# Altium PCB HYDRA_V4_POWER.PcbDoc (part 1 of 2) (continued)
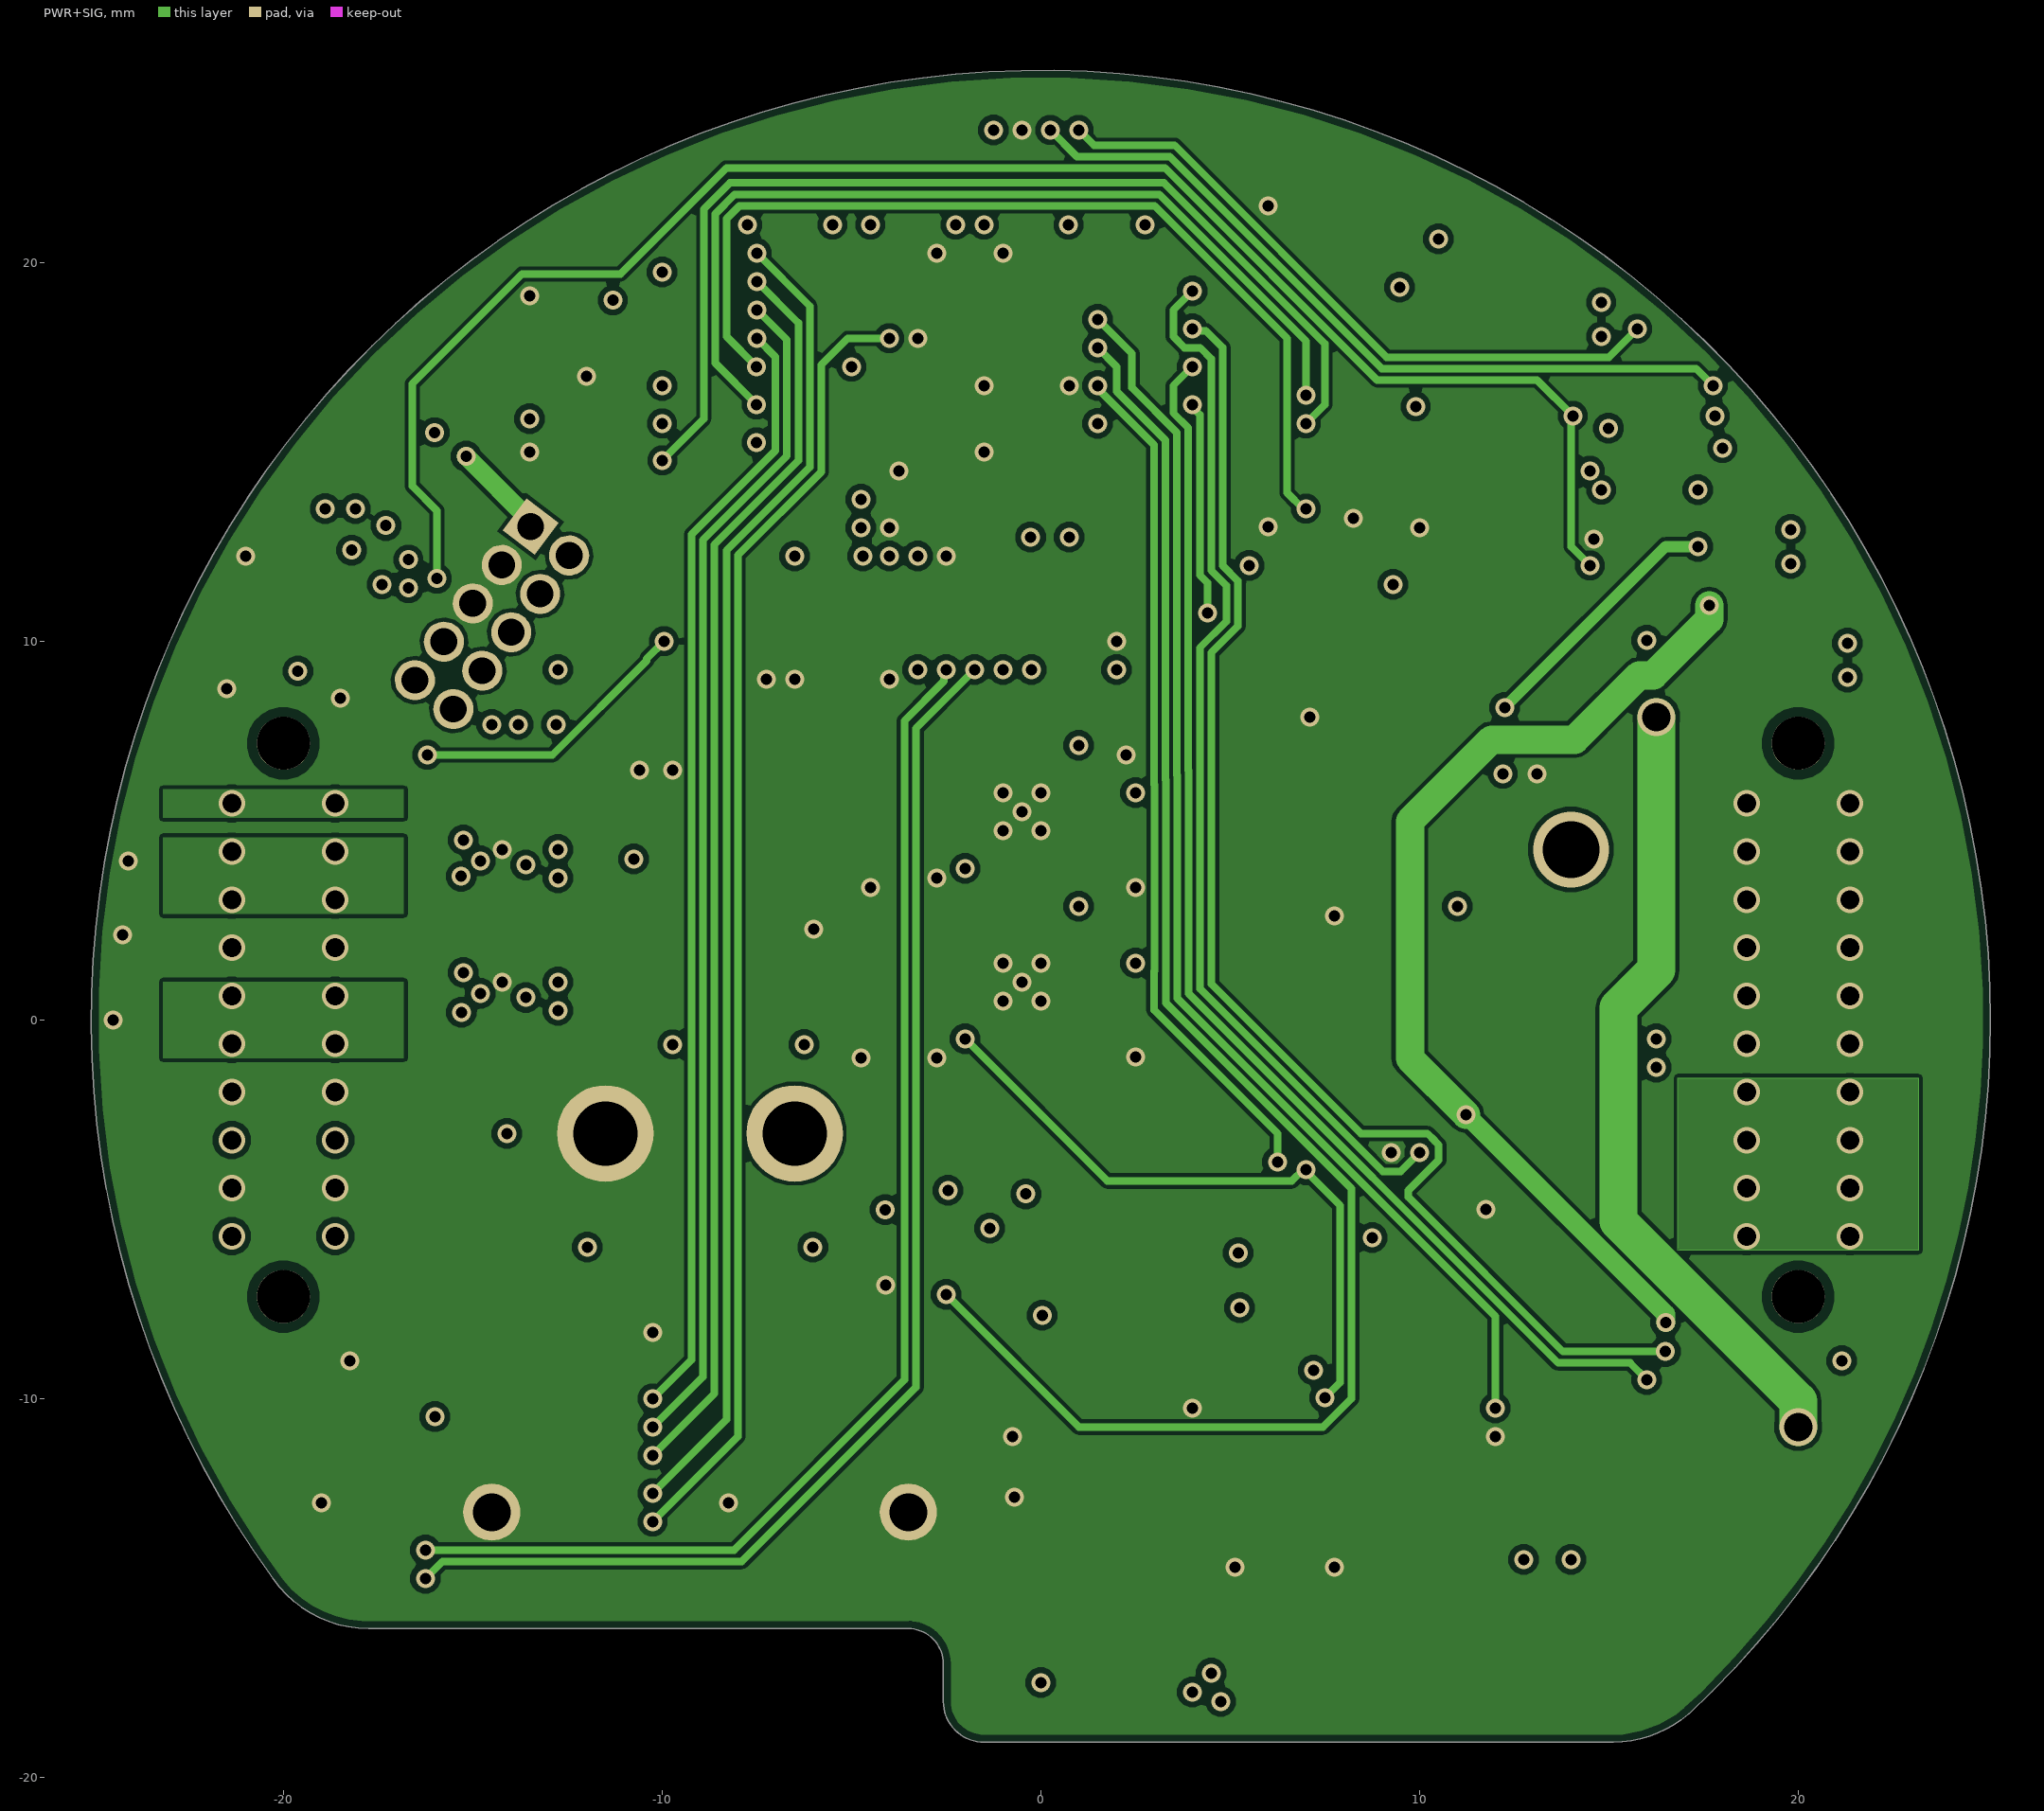
[diagram p3: PWR+SIG]
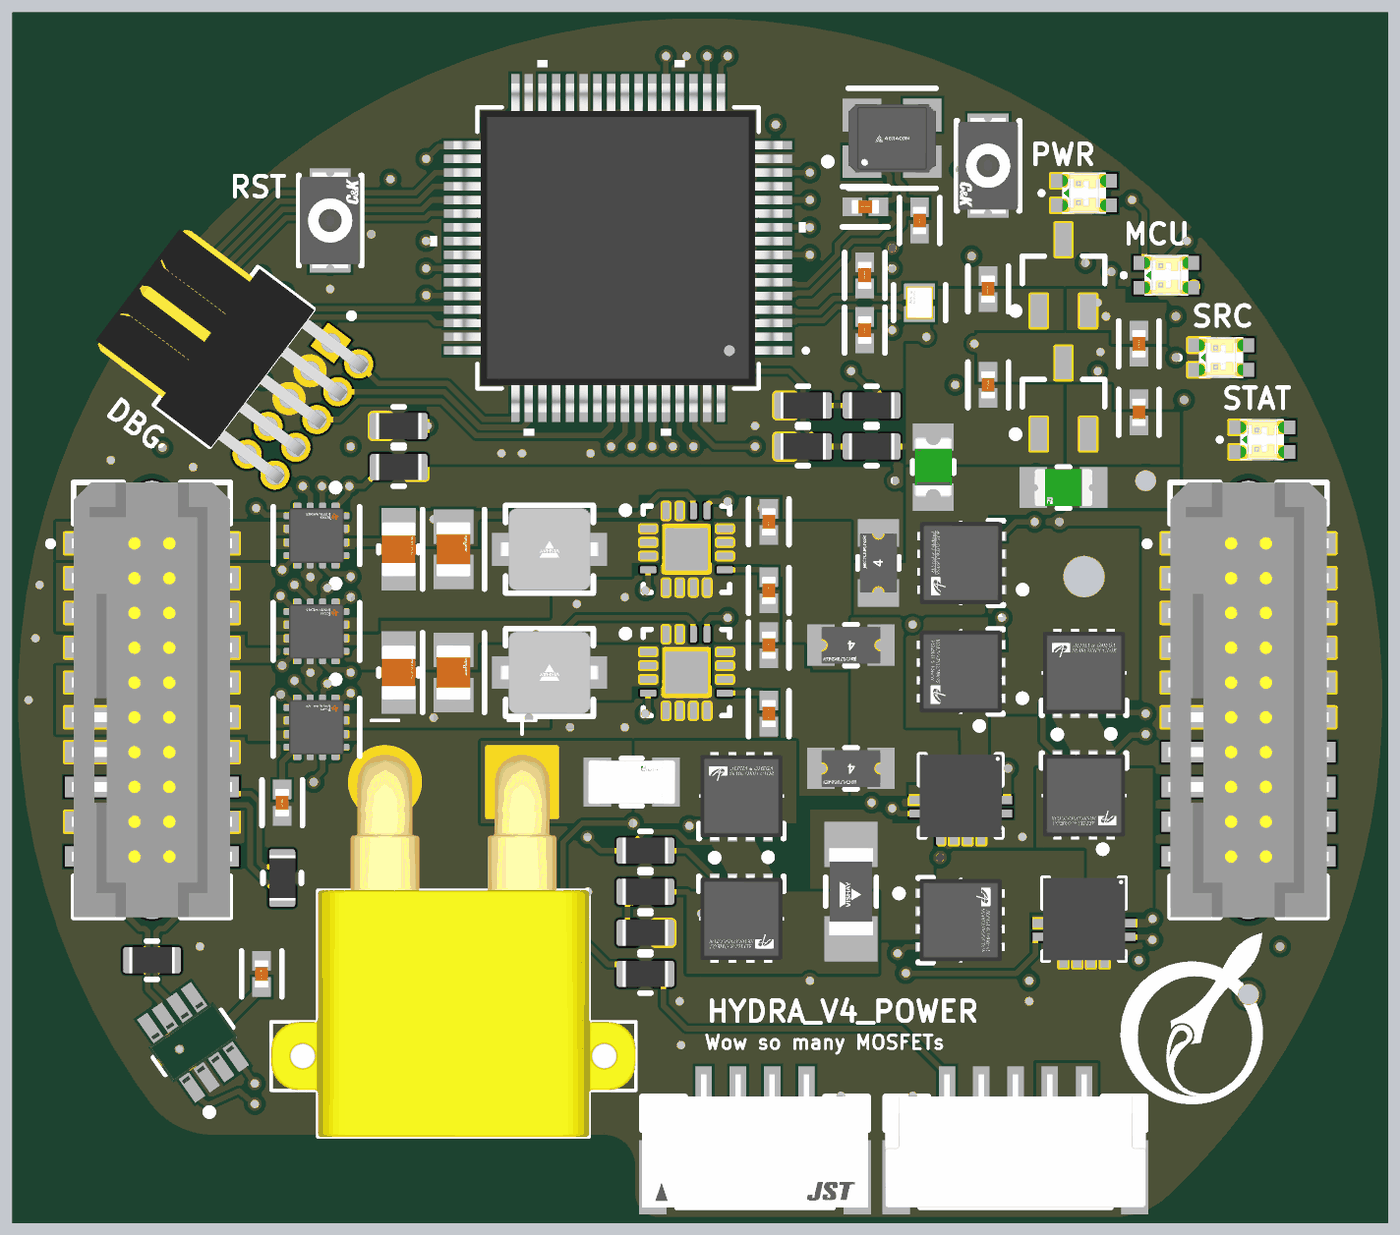
[diagram p5: 3D render of the assembled board from above, using the file's embedded part models]
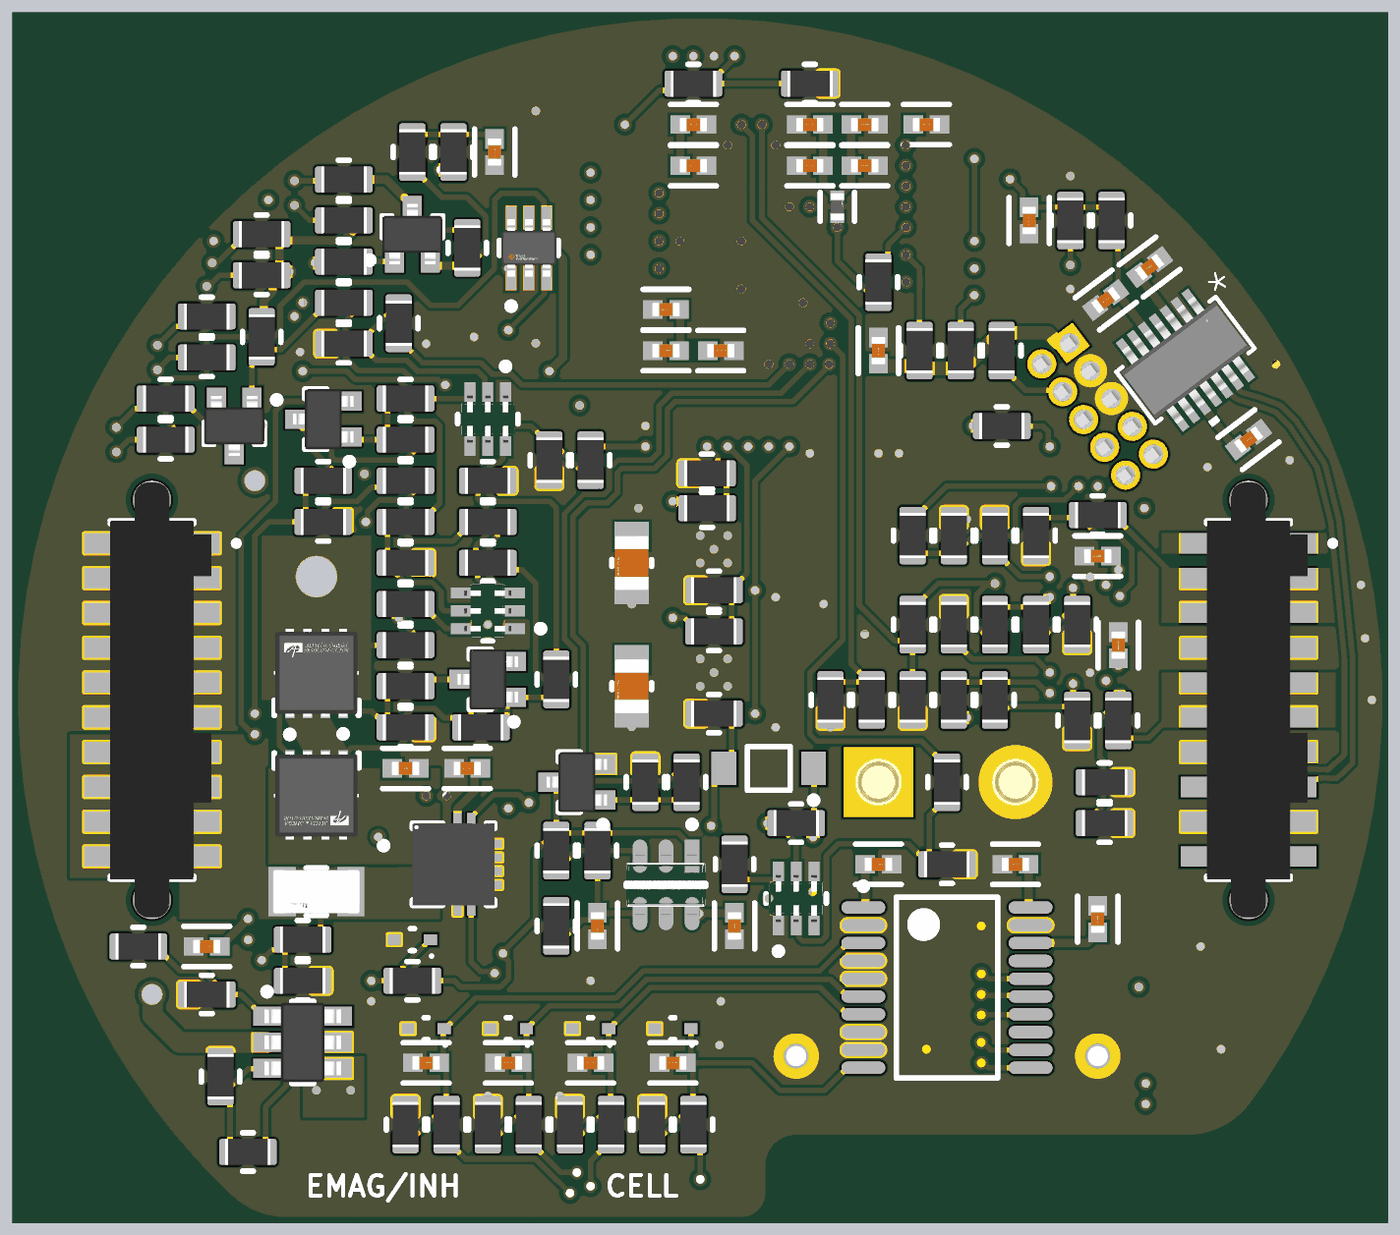
[diagram p6: 3D render of the assembled board from below, using the file's embedded part models]

## Layer stack, top to bottom
Top Solder: solder mask 0.0127, Solder Resist, Dk 3.5
Top Layer: signal copper 0.035
Dielectric 2: prepreg 0.2104, PP-006, Dk 4.1
GND+SIG: signal copper 0.0152
Dielectric 1: dielectric 1.065, FR-4, Dk 4.8
PWR+SIG: signal copper 0.0152
Dielectric 3: prepreg 0.2104, PP-006, Dk 4.1
Bottom Layer: signal copper 0.035
Bottom Solder: solder mask 0.0127, Solder Resist, Dk 3.5

## Board outline
-17.751,-16.075 -3.5,-16.075 -3.499,-16.075 cw(c-3.5,-17) -2.575,-17 -2.575,-18 ccw(c-1.5,-18) -1.5,-19.075 15.1,-19.075 15.115,-19.073 ccw(c15.1,-16) 17.09,-18.342 17.114,-18.327 ccw(c0,0) 25.075,0 ccw(c0,0) -20.274,-14.756 -20.269,-14.764 ccw(c-17.75,-13)

## Design rules (kind name [scope] priority, off if disabled: settings)
BoardOutlineClearance [All] p1: gap=0.2 ignorepadtopadclearanceinfootprint=FALSE
Clearance [All] p1: gap=0.102 ignorepadtopadclearanceinfootprint=FALSE except(0.127: Arc-Via Track-Via SMDPad-Via THPad-Via Via-Via Via-Fill Via-Poly Via-Region Via-Text; 0.25: Arc-Hole Track-Hole SMDPad-Hole THPad-Hole Via-Hole Fill-Hole Poly-Hole Region-Hole Text-Hole)
ComponentClearance [All] p1: gap=0.102 collisioncheckmode=3 verticalgap=0.102 showdistances=TRUE
DiffPairsRouting [All] p1: maxlimit=0.102 minlimit=0.102 mostfreqgap=0.102 toplayer_minwidth=0.102 toplayer_maxwidth=1816.048 toplayer_prefwidth=0.102 midlayer1_minwidth=0.102 midlayer1_maxwidth=1816.048 midlayer1_prefwidth=0.102 midlayer2_minwidth=0.102 midlayer2_maxwidth=1816.048 midlayer2_prefwidth=0.102 bottomlayer_minwidth=0.102 bottomlayer_maxwidth=1816.048 bottomlayer_prefwidth=0.102 maxuncoupledlength=12.7
Height [All] p1: minheight=0 maxheight=1816.048 prefheight=12.7
HoleSize [All] p1: absolutevalues=TRUE maxlimit=6.3 minlimit=0.2 maxpercent=80.000 minpercent=20.000
HoleToHoleClearance [All] p1: gap=0.25 allowstackedmicrovias=FALSE
MinimumAnnularRing [All] p1: minimumring=0.076
MinimumSolderMaskSliver [All] p1: minsoldermaskwidth=0
PlaneClearance [All] p1: clearance=0.102
PlaneConnect PlaneConnectPowerPads [InPadClass('PowerPads')] p1: planeconnectstyle=Direct reliefexpansion=0.508 reliefentries=4 reliefconductorwidth=0.254 reliefairgap=0.254
PlaneConnect [All] p2: pad.planeconnectstyle=Relief pad.reliefexpansion=0.3 pad.reliefentries=4 pad.reliefconductorwidth=0.102 pad.reliefairgap=0.102 via.planeconnectstyle=Direct via.reliefexpansion=0.3 via.reliefentries=4 via.reliefconductorwidth=0.127 via.reliefairgap=0.127
PolygonConnect PolygonConnectPowerPads [All vs InPadClass('PowerPads') or HasFootprint('XT30PW-M-Footprint-1')] p1: connectstyle=Direct reliefconductorwidth=0.254 reliefentries=4 polygonreliefangle="90 Angle" airgapwidth=0.254
PolygonConnect [All] p2: thpad.connectstyle=Relief thpad.reliefconductorwidth=0.102 thpad.reliefentries=4 thpad.polygonreliefangle="90 Angle" thpad.airgapwidth=0.102 smdpad.connectstyle=Direct smdpad.reliefconductorwidth=0.102 smdpad.reliefentries=4 smdpad.polygonreliefangle="90 Angle" smdpad.airgapwidth=0.102 via.connectstyle=Direct via.reliefconductorwidth=0.127 via.reliefentries=4 via.polygonreliefangle="90 Angle" via.airgapwidth=0.127
RoutingVias [All] p1: holewidth=0.2 width=0.45 viastyle="Through Hole" minholewidth=0.2 minwidth=0.45 maxholewidth=6.3 maxwidth=6.55
SilkToSilkClearance [All] p1: silktosilkclearance=0
SilkToSolderMaskClearance [IsPad] p1: minsilkscreentomaskgap=0.102 clearancetoexposedcopper=TRUE
SolderMaskExpansion [All] p1: expansion=0.075 istentingtop=FALSE
SupplyNets "Schematic Supply Nets_7" [InNet('TCAN1146_PWR')] p1: voltage=0.000
SupplyNets "Schematic Supply Nets_6" [InNet('INT_PWR')] p2: voltage=0.000
SupplyNets "Schematic Supply Nets_5" [InNet('GND')] p3: voltage=0.000
SupplyNets "Schematic Supply Nets_4" [InNet('HYDRA_5V')] p4: voltage=0.000
SupplyNets "Schematic Supply Nets_3" [InNet('HYDRA_3V3')] p5: voltage=0.000
SupplyNets "Schematic Supply Nets_2" [InNet('5V_INT')] p6: voltage=0.000
SupplyNets "Schematic Supply Nets_1" [InNet('HYDRA_VCC')] p7: voltage=0.000
SupplyNets "Schematic Supply Nets" [InNet('INT_3V3')] p8: voltage=0.000
Width [All] p1: maxlimit=1816.048 minlimit=0.102 preferedwidth=0.102
20 further rules are at their usual default settings.

## Classes and differential pairs
pad class PowerPads: J6-03 J6-05
net class CAN: CAN1_N CAN1_P
component class FDCAN_1: C29 R84 U10
component class FDCAN_0: C30 C31 C32 C33 R86 R88 R89 SW1 U11
channel class LM7310: LS_0 LS_1 LS_2
component class LS_2: C42_LS_2 R96_LS_2 R97_LS_2 R98_LS_2 R99_LS_2 R100_LS_2 R101_LS_2 R102_LS_2 U13_LS_2
component class LS_1: C42_LS_1 R96_LS_1 R97_LS_1 R98_LS_1 R99_LS_1 R100_LS_1 R101_LS_1 R102_LS_1 U13_LS_1
component class LS_0: C42_LS_0 R96_LS_0 R97_LS_0 R98_LS_0 R99_LS_0 R100_LS_0 R101_LS_0 R102_LS_0 U13_LS_0
differential pair class CAN: CAN0
component class MCU_0: C19 C20 C21 C22 C23 C24 C25 C26 C27 C28 C34 C35 C36 C37 C41 C46 D3 D4 FB1 J6 Q13 R32 R34 R36 R37 R83 R85 R87 R93 R95 SW3 TP1 TP2 TP3 TP4 TP5 U9 Y1 Y2
component class CELL_SENSE: C47 C48 C49 C50 C51 C52 C53 D7 D8 D9 D10 R63 R64 R65 R66 R71 R72 R73 R74 U14
component class RP_AND_SAFETYSW: D2 Q16 Q18 Q19 R56 R57 R58 R59 R60 R61 R62
component class MOSFET_JUNCTION: C1 C2 Q1 Q2 Q3 Q4 Q5 Q6 Q7 Q8 Q9 Q10 R1 R3 R4 R5 R7 R8 R9 R10 R11 R12 R13 R14 R15 R16 R17 R18 R19 R20 R21 R22 R54 R55 U1 U2
component class INT_REG: C6 C7 C38 C39 R24 R31 R38 R39 R40 R41 U5 U12
component class HYDRA_REGULATORS: C8 C9 C10 C11 C12 C13 C14 C15 C16 C17 F7 F8 L1 L2 R2 R6 R42 R45 R48 R51 R52 R53 U6 U7
component class EXT_PWR_PROT: C3 C4 C5 C?_EXT_PWR_PROT D6 Q11 Q12 R23 R25 R26 R27 R28 R29 R30 R33 R35 U3 U4
component class HYDRA_V4_POWER: D1 D5 F1 F2 F3 F4 F5 J1 J2 J3 J4 J5 J7 J8 P4 Q14 Q15 R43 R46 R47 R49 R67 R68 R69 R70 R75 R76 U8
differential pair X: +X_P -X_N
differential pair X32: +X32_P -X32_N
differential pair CAN1: +CAN1_P -CAN1_N
differential pair CAN0: +CAN0_P -CAN0_N

## Components (designator, comment, footprint, x,y, rotation, side; value= is the part's Value field where it differs from the comment)
C1 "100n" FP-0402-L_1_0_0_05-W_0_5-IPC_A 8.5,-2.5 r0 bottom
C2 "100n" FP-0402-L_1_0_0_05-W_0_5-IPC_A 10.75,-2.5 r180 bottom
C3 "100n" FP-0402-L_1_0_0_05-W_0_5-IPC_A 3.75,-8.25 r270 bottom
C4 "100n" FP-0402-L_1_0_0_05-W_0_5-IPC_A 18,-9 r0 bottom
C5 "100n" FP-0402-L_1_0_0_05-W_0_5-IPC_A -1.25,-8.25 r270 bottom
C6 "100n" FP-0402-L_1_0_0_05-W_0_5-IPC_A 10.5,15 r90 top
C7 "10u" FP-0402-L_1_0_0_05-W_0_5-IPC_A 16,13 r270 top
C8 "GRM21BR61E226ME44L" FP-GRM21B-0_2-e0_2_0_7-IPC_B -9,5.5 r90 top
C9 "TMK212BBJ106KG-T" FP-0805-L_2_0_0_2-W_1_25-MFG -11,5.5 r90 top
C10 "TMK212BBJ106KG-T" FP-0805-L_2_0_0_2-W_1_25-MFG 2.5,5 r270 bottom
C11 "100n" FP-0402-L_1_0_0_05-W_0_5-IPC_A 2.5,6.5 r90 top
C12 "3.3n" FP-0402-L_1_0_0_05-W_0_5-IPC_A 2.5,4 r90 top
C13 "GRM21BR61E226ME44L" FP-GRM21B-0_2-e0_2_0_7-IPC_B -9,1 r90 top
C14 "TMK212BBJ106KG-T" FP-0805-L_2_0_0_2-W_1_25-MFG -11,1 r90 top
C15 "TMK212BBJ106KG-T" FP-0805-L_2_0_0_2-W_1_25-MFG 2.5,0.5 r270 bottom
C16 "100n" FP-0402-L_1_0_0_05-W_0_5-IPC_A 2.5,2 r90 top
C17 "3.3n" FP-0402-L_1_0_0_05-W_0_5-IPC_A 2.5,-0.5 r90 top
C19 "4.7u" FP-0402-L_1_0_0_05-W_0_5-IPC_A 0.25,19.5 r180 bottom
C20 "100n" FP-0402-L_1_0_0_05-W_0_5-IPC_A -8.25,21 r180 bottom
C21 "100n" FP-0402-L_1_0_0_05-W_0_5-IPC_A -6.5,12.75 r90 bottom
C22 "100n" FP-0402-L_1_0_0_05-W_0_5-IPC_A -0.75,12.75 r180 bottom
C23 "1u" FP-0402-L_1_0_0_05-W_0_5-IPC_A -6,19.5 r180 bottom
C24 "100n" FP-0402-L_1_0_0_05-W_0_5-IPC_A -6,21 r180 bottom
C25 "1u" FP-0402-L_1_0_0_05-W_0_5-IPC_A 1.25,14.25 r0 bottom
C26 "100n" FP-0402-L_1_0_0_05-W_0_5-IPC_A 1.25,12.75 r0 bottom
C27 "1u" FP-0402-L_1_0_0_05-W_0_5-IPC_A -4,19.5 r0 bottom
C28 "100n" FP-0402-L_1_0_0_05-W_0_5-IPC_A -4,21 r0 bottom
C29 "100n" FP-0402-L_1_0_0_05-W_0_5-IPC_A -16,-10 r90 top
C30 "100n" FP-0402-L_1_0_0_05-W_0_5-IPC_A -16.39,15.8 r143 bottom
C31 "100n" FP-0402-L_1_0_0_05-W_0_5-IPC_A -20,9.5 r143 bottom
C32 "100n" FP-0402-L_1_0_0_05-W_0_5-IPC_A -14.793,14.596 r323 bottom
C33 "100n" FP-0402-L_1_0_0_05-W_0_5-IPC_A 7.5,20 r270 bottom
C34 "30p" FP-0402-L_1_0_0_05-W_0_5-IPC_A 6.021,18 r180 top
C35 "30p" FP-0402-L_1_0_0_05-W_0_5-IPC_A 8,17.5 r270 top
C36 "18p" FP-0402-L_1_0_0_05-W_0_5-IPC_A 6,13.5 r270 top
C37 "18p" FP-0402-L_1_0_0_05-W_0_5-IPC_A 6,15.5 r90 top
C38 "100n" FP-0402-L_1_0_0_05-W_0_5-IPC_A 10.5,11.5 r90 top
C39 "10u" FP-0402-L_1_0_0_05-W_0_5-IPC_A 16,10.5 r90 top
C41 "100n" FP-0402-L_1_0_0_05-W_0_5-IPC_A -12,17.5 r270 bottom
C42_LS_0 "3.3n" FP-0402-L_1_0_0_05-W_0_5-IPC_A -14.5,5.25 r180 bottom (schematic designator C42)
C42_LS_1 "3.3n" FP-0402-L_1_0_0_05-W_0_5-IPC_A -15.25,2 r270 bottom (schematic designator C42)
C42_LS_2 "3.3n" FP-0402-L_1_0_0_05-W_0_5-IPC_A -15.25,-3.75 r90 top (schematic designator C42)
C46 "100n" FP-0402-L_1_0_0_05-W_0_5-IPC_A 0.25,21 r180 bottom
C47 "100n" FP-0402-L_1_0_0_05-W_0_5-IPC_A 10,-13.25 r0 bottom
C48 "100n" FP-0402-L_1_0_0_05-W_0_5-IPC_A 7,-13.25 r0 bottom
C49 "100n" FP-0402-L_1_0_0_05-W_0_5-IPC_A 4,-13.25 r0 bottom
C50 "100n" FP-0402-L_1_0_0_05-W_0_5-IPC_A 1,-13.25 r0 bottom
C51 "1u" FP-0402-L_1_0_0_05-W_0_5-IPC_A -6.5,-6 r180 bottom
C52 "1u" FP-0402-L_1_0_0_05-W_0_5-IPC_A -11.5,-6 r0 bottom
C53 "220n" FP-0402-L_1_0_0_05-W_0_5-IPC_A -14.5,-8 r90 bottom
D1 "150066RG54050" WL-SBCD_0606 19,12.5 r90 top locked
D2 "MMSZ5242BT1G" ONSC-SOD-123-2-425-04_V -2.5,-2.5 r0 bottom
D3 "150066RG54050" WL-SBCD_0606 17,15.5 r90 top locked
D4 "150066RG54050" WL-SBCD_0606 14,18.5 r90 top locked
D5 "150066RG54050" WL-SBCD_0606 20.5,9.5 r90 top locked
D6 "MM5Z3V3T1G" ONSC-SOD-523-2-502-01_V 10.5,-8.75 r0 bottom
D7 "MM5Z3V3T1G" ONSC-SOD-523-2-502-01_V 10,-12 r0 bottom
D8 "MM5Z3V3T1G" ONSC-SOD-523-2-502-01_V 7,-12 r0 bottom
D9 "MM5Z3V3T1G" ONSC-SOD-523-2-502-01_V 4,-12 r0 bottom
D10 "MM5Z3V3T1G" ONSC-SOD-523-2-502-01_V 1,-12 r0 bottom
F1 "0501010.WR" FP-0501-MFG -2.5,-3 r0 top
F2 "0501010.WR" FP-0501-MFG 14,-7 r0 bottom
F3 "MF-PSMF050X-2" FP-MF-PSMF-MFG 6.5,5 r90 top value=0.15-0.9Ω
F4 "MF-PSML150/12-2" FP-0805L010-MFG 13.25,7.75 r180 top
F5 "0ZCK0010FF2G" FP-0ZCK0010FF2G-MFG 8.5,8.5 r90 top
F7 "MF-PSML150/12-2" FP-MF-PSMF-MFG 5.5,2 r180 top value=0.15-0.9Ω
F8 "MF-PSML150/12-2" FP-MF-PSMF-MFG 5.5,-2.5 r180 top value=0.15-0.9Ω
FB1 "BLM15PX601SN1D" FP-BLM15-0_05-MFG -5,18 r90 bottom
J1 "SFML-110-02-L-D-A" SFML-110-02-L-D-A-Footprint-1 -20,0 r270 bottom locked
J2 "SFML-110-02-L-D-A" SFML-110-02-L-D-A-Footprint-1 20,0 r270 bottom locked
J3 "XT30PW-M" XT30PW-M-Footprint-1 -9,-13 r180 top
J4 "TFML-110-02-L-D-A" TFML-110-02-L-D-A-Footprint-1 -20,0 r270 top locked
J5 "TFML-110-02-L-D-A" TFML-110-02-L-D-A-Footprint-1 20,0 r270 top locked
J6 "FTSH-105-01-F-D-RA-K" FTSH-105-01-F-D-RA-K-Footprint-1 -15,11 r53 top locked
J7 "SM05B-GHS-TB(LF)(SN)" FP-SM05B-GHS-TB_LF_SN-MFG 11.5,-16.5 r0 top locked
J8 "SM04B-GHS-TB(LF)(SN)" FP-SM04B-GHS-TB_LF_SN-MFG 2,-16.5 r0 top locked
L1 "IHLP1212BZER2R2M11" FP-IHLP-1212BZ-11-MFG -5.5,5.5 r180 top
L2 "IHLP1212BZER2R2M11" FP-IHLP-1212BZ-11-MFG -5.5,1 r180 top
Q1 "SISH615ADN-T1-GE3" SISH615ADN-T1-GE3-Footprint-1 13.962,-3.49 r0 bottom
Q2 "SISH615ADN-T1-GE3" SISH615ADN-T1-GE3-Footprint-1 14.038,0.99 r180 bottom
Q3 "SISH615ADN-T1-GE3" SISH615ADN-T1-GE3-Footprint-1 9.51,4.962 r90 top
Q4 "SISH615ADN-T1-GE3" SISH615ADN-T1-GE3-Footprint-1 13.962,0.99 r0 top
Q5 "SISH615ADN-T1-GE3" SISH615ADN-T1-GE3-Footprint-1 14.038,-3.49 r180 top
Q6 "SISH615ADN-T1-GE3" SISH615ADN-T1-GE3-Footprint-1 9.5,1 r90 top
Q7 "DMG1013UW-7" DIOD-SOT323-3_V 13.75,10.25 r0 bottom
Q8 "DMG1013UW-7" DIOD-SOT323-3_V 7.75,0.75 r0 bottom
Q9 "SSM6N7002KFU,LF" FP-SSOP6-P-0_65A-MFG 7.75,10.25 r270 bottom
Q10 "SSM6N7002KFU,LF" FP-SSOP6-P-0_65A-MFG 7.75,3.25 r0 bottom
Q11 "SISH615ADN-T1-GE3" SISH615ADN-T1-GE3-Footprint-1 9.5,-8 r270 top
Q12 "BSS138W-7-F" DIOD-SOT323-3_V 4.5,-3 r0 bottom
Q13 "DMG1013UW-7" DIOD-SOT323-3_V 10.5,17 r90 bottom
Q14 "DMG1013UW-7" DIOD-SOT323-3_V 17,10 r270 bottom
Q15 "FDC6327C" FAIR-SOT23-6_V 14.5,-12.5 r180 bottom
Q16 "SSM6N7002KFU,LF" FP-SSOP6-P-0_65A-MFG -3.5,-7.25 r90 bottom
Q18 "SISH615ADN-T1-GE3" SISH615ADN-T1-GE3-Footprint-1 1.538,-7.99 r180 top
Q19 "SISH615ADN-T1-GE3" SISH615ADN-T1-GE3-Footprint-1 1.462,-3.51 r0 top
R1 "100k" R0603B 10.75,-1 r0 bottom
R2 "100k" R0603B -0.244,8.272 r0 bottom
R3 "100k" R0603B 10.75,8 r180 bottom
R4 "100k" R0603B 13.75,6.5 r0 bottom
R5 "100k" R0603B 10.75,2 r180 bottom
R6 "100k" R0603B -0.5,4 r0 bottom
R7 "1k" R0603B 13.75,8 r180 bottom
R8 "1k" R0603B 10.75,0.5 r180 bottom
R9 "1k" R0603B 10.75,3.5 r180 bottom
R10 "1k" R0603B 10.75,11 r180 bottom
R11 "1k" R0603B 5.25,0.75 r90 bottom
R12 "1k" R0603B 7.75,5 r180 bottom
R13 "100k" R0603B 10.75,9.5 r180 bottom
R14 "100k" R0603B 8,-1 r0 bottom
R15 "100k" R0603B 7.75,8 r0 bottom
R16 "1k" R0603B 4,8.75 r90 bottom
R17 "1k" R0603B 11,13.75 r270 bottom
R18 "1k" R0603B 7.75,6.5 r180 bottom
R19 "100k" R0603B 5.5,8.75 r90 bottom
R20 "100k" R0603B 13,13 r180 bottom
R21 "1k" R0603B 10.75,6.5 r180 bottom
R22 "100k" R0603B 10.75,5 r0 bottom
R23 "1M" R0603B 10.5,-10.25 r180 bottom
R24 "100k" R0603B 0.25,22.5 r0 bottom
R25 "100k" R0603B 5.25,-5.5 r90 bottom
R26 "WSLP1206R0100FEA" FP-WSLP1206-FP_1_65x1_93x-MFG 5.5,-7 r90 top
R27 "TBD" R0603B 5.25,-8.25 r90 bottom
R28 "100k" R0603B -2,-7 r0 top
R29 "24k" R0603B -2,-8.5 r180 top
R30 "1M" R0603B 3.75,-5.5 r270 bottom
R31 "100k" R0603B -4,22.5 r0 bottom
R32 "330" R0603B 13,17.5 r180 bottom
R33 "1k" R0603B 0.5,-3 r90 bottom
R34 "1k" R0603B 13,19 r180 bottom
R35 "100k" R0603B 2,-3 r270 bottom
R36 "1k" R0603B 13,16 r0 bottom
R37 "100k" R0603B 8.5,16.5 r270 bottom
R38 "24k" R0603B 6.25,10.75 r0 top
R39 "100k" R0603B 3.75,10.75 r0 top
R40 "100k" R0603B 6.25,9.25 r0 top
R41 "24k" R0603B 3.75,9.25 r0 top
R42 "100k" R0603B -7.75,2.75 r90 bottom
R43 "100k" R0603B 17.5,-13.75 r90 bottom
R45 "100k" R0603B -7.75,0 r90 bottom
R46 "1k" R0603B 16.5,-16.5 r180 bottom
R47 "1k" R0603B 20.5,-9 r0 bottom
R48 "10k" R0603B -6.25,0 r270 bottom
R49 "100k" R0603B 18,-10.75 r0 bottom
R51 "100k" R0603B -4.75,0 r90 bottom
R52 "1k" R0603B -0.25,7 r180 bottom
R53 "1k" R0603B -0.5,2.5 r180 bottom
R54 "100k" R0603B 14.5,-8.75 r180 bottom
R55 "24k" R0603B 14.5,-10.25 r0 bottom
R56 "1k" R0603B -9,-3 r90 bottom
R57 "1M" R0603B -9,-6 r180 bottom
R58 "1M" R0603B -2,-5.5 r0 top
R59 "100k" R0603B -0.5,-0.5 r180 bottom
R60 "1k" R0603B -1.25,-6 r270 bottom
R61 "1M" R0603B -3.5,-4.5 r0 bottom
R62 "1k" R0603B -2,-10 r0 top
R63 "680k" R0603B 9.25,-15.5 r270 bottom
R64 "100k" R0603B 10.75,-15.5 r90 bottom
R65 "470k" R0603B 6.25,-15.5 r270 bottom
R66 "100k" R0603B 7.75,-15.5 r90 bottom
R67 "1k" R0603B 18,12.5 r180 bottom
R68 "330" R0603B 18,14 r180 bottom
R69 "330" R0603B 19.5,9.5 r180 bottom
R70 "330" R0603B 19.5,11 r180 bottom
R71 "270k" R0603B 3.25,-15.5 r270 bottom
R72 "100k" R0603B 4.75,-15.5 r90 bottom
R73 "100k" R0603B 0.25,-15.5 r270 bottom
R74 "100k" R0603B 1.75,-15.5 r90 bottom
R75 "1k" R0603B 13,14.5 r180 bottom
R76 "1M" R0603B 16,13.25 r90 bottom
R83 "10k" R0603B -11,12.75 r90 bottom
R84 "120" R0603B -20,-9.5 r180 top locked
R85 "330" R0603B 16,15.5 r180 bottom
R86 "120" R0603B -15.25,-6.5 r270 top
R87 "330" R0603B 16,17 r180 bottom
R88 "10k" R0603B 10.5,20 r270 bottom
R89 "1k" R0603B 9,20 r270 bottom
R93 "330" R0603B -13.5,17.5 r270 bottom
R95 "10k" R0603B -15,17.5 r90 bottom
R96_LS_0 "tbd" R0603B -11,8.5 r0 top (schematic designator R96)
R96_LS_1 "tbd" R0603B -10.75,2.75 r270 bottom (schematic designator R96)
R96_LS_2 "tbd" R0603B -9.25,0 r270 bottom (schematic designator R96)
R97_LS_0 "tbd" R0603B -11,10 r180 bottom (schematic designator R97)
R97_LS_1 "tbd" R0603B -14.5,6.75 r180 bottom (schematic designator R97)
R97_LS_2 "tbd" R0603B -15.25,-0.75 r270 bottom (schematic designator R97)
R98_LS_0 "tbd" R0603B -7.75,6 r90 bottom (schematic designator R98)
R98_LS_1 "tbd" R0603B -12.25,2.75 r90 bottom (schematic designator R98)
R98_LS_2 "tbd" R0603B -10.75,0 r90 bottom (schematic designator R98)
R99_LS_0 "tbd" R0603B -11,10 r0 top (schematic designator R99)
R99_LS_1 "tbd" R0603B -12.25,6 r90 bottom (schematic designator R99)
R99_LS_2 "tbd" R0603B -14.75,-4.5 r0 bottom (schematic designator R99)
R100_LS_0 "tbd" R0603B -9.25,6 r270 bottom (schematic designator R100)
R100_LS_1 "tbd" R0603B -13.75,2.75 r90 bottom (schematic designator R100)
R100_LS_2 "tbd" R0603B -13.75,-0.75 r90 bottom (schematic designator R100)
R101_LS_0 "2.7k" R0603B -10.75,6 r270 bottom value=tbd (schematic designator R101)
R101_LS_1 "2.7k" R0603B -9.25,2.75 r270 bottom value=tbd (schematic designator R101)
R101_LS_2 "2.7k" R0603B -14.75,-3 r0 bottom value=tbd (schematic designator R101)
R102_LS_0 "100k" R0603B -6.5,15.25 r270 bottom (schematic designator R102)
R102_LS_1 "100k" R0603B -8,12.75 r270 bottom (schematic designator R102)
R102_LS_2 "100k" R0603B -9.5,12.75 r270 bottom (schematic designator R102)
SW1 "KXT331LHS" FP-KXT331LHS-MFG 10.5,19.5 r270 top locked
SW3 "KXT331LHS" FP-KXT331LHS-MFG -13.5,17.5 r90 top locked
U1 "ACS711KEXLT-15AB-T" ALEG-EX-12_V 9,-6 r180 bottom
U2 "ACS711KEXLT-15AB-T" ALEG-EX-12_V 9.5,-3.5 r270 top
U3 "TLV1805DBVR" FP-DBV0006A-IPC_C 1.25,-6.75 r270 bottom
U4 "ACS711KEXLT-31AB-T" ALEG-EX-12_V 14,-8 r270 top
U5 "AP7375-33SA-7" SOT90P285X110-3N 13.25,15.5 r90 top
U6 "TPS62133RGTR" RGT0016C_V -0.5,5.5 r0 top
U7 "TPS62132RGTR" RGT0016C_V -0.5,1 r0 top
U8 "SN74LVC1G11DCKR" FP-DCK0006A-MFG 6.25,16.5 r90 bottom
U9 "STM32G473RET6TR" STM32G473RET6TR-Footprint-1 -3,16.5 r180 top